# KiCad board sizif128.kicad_pcb (continued)
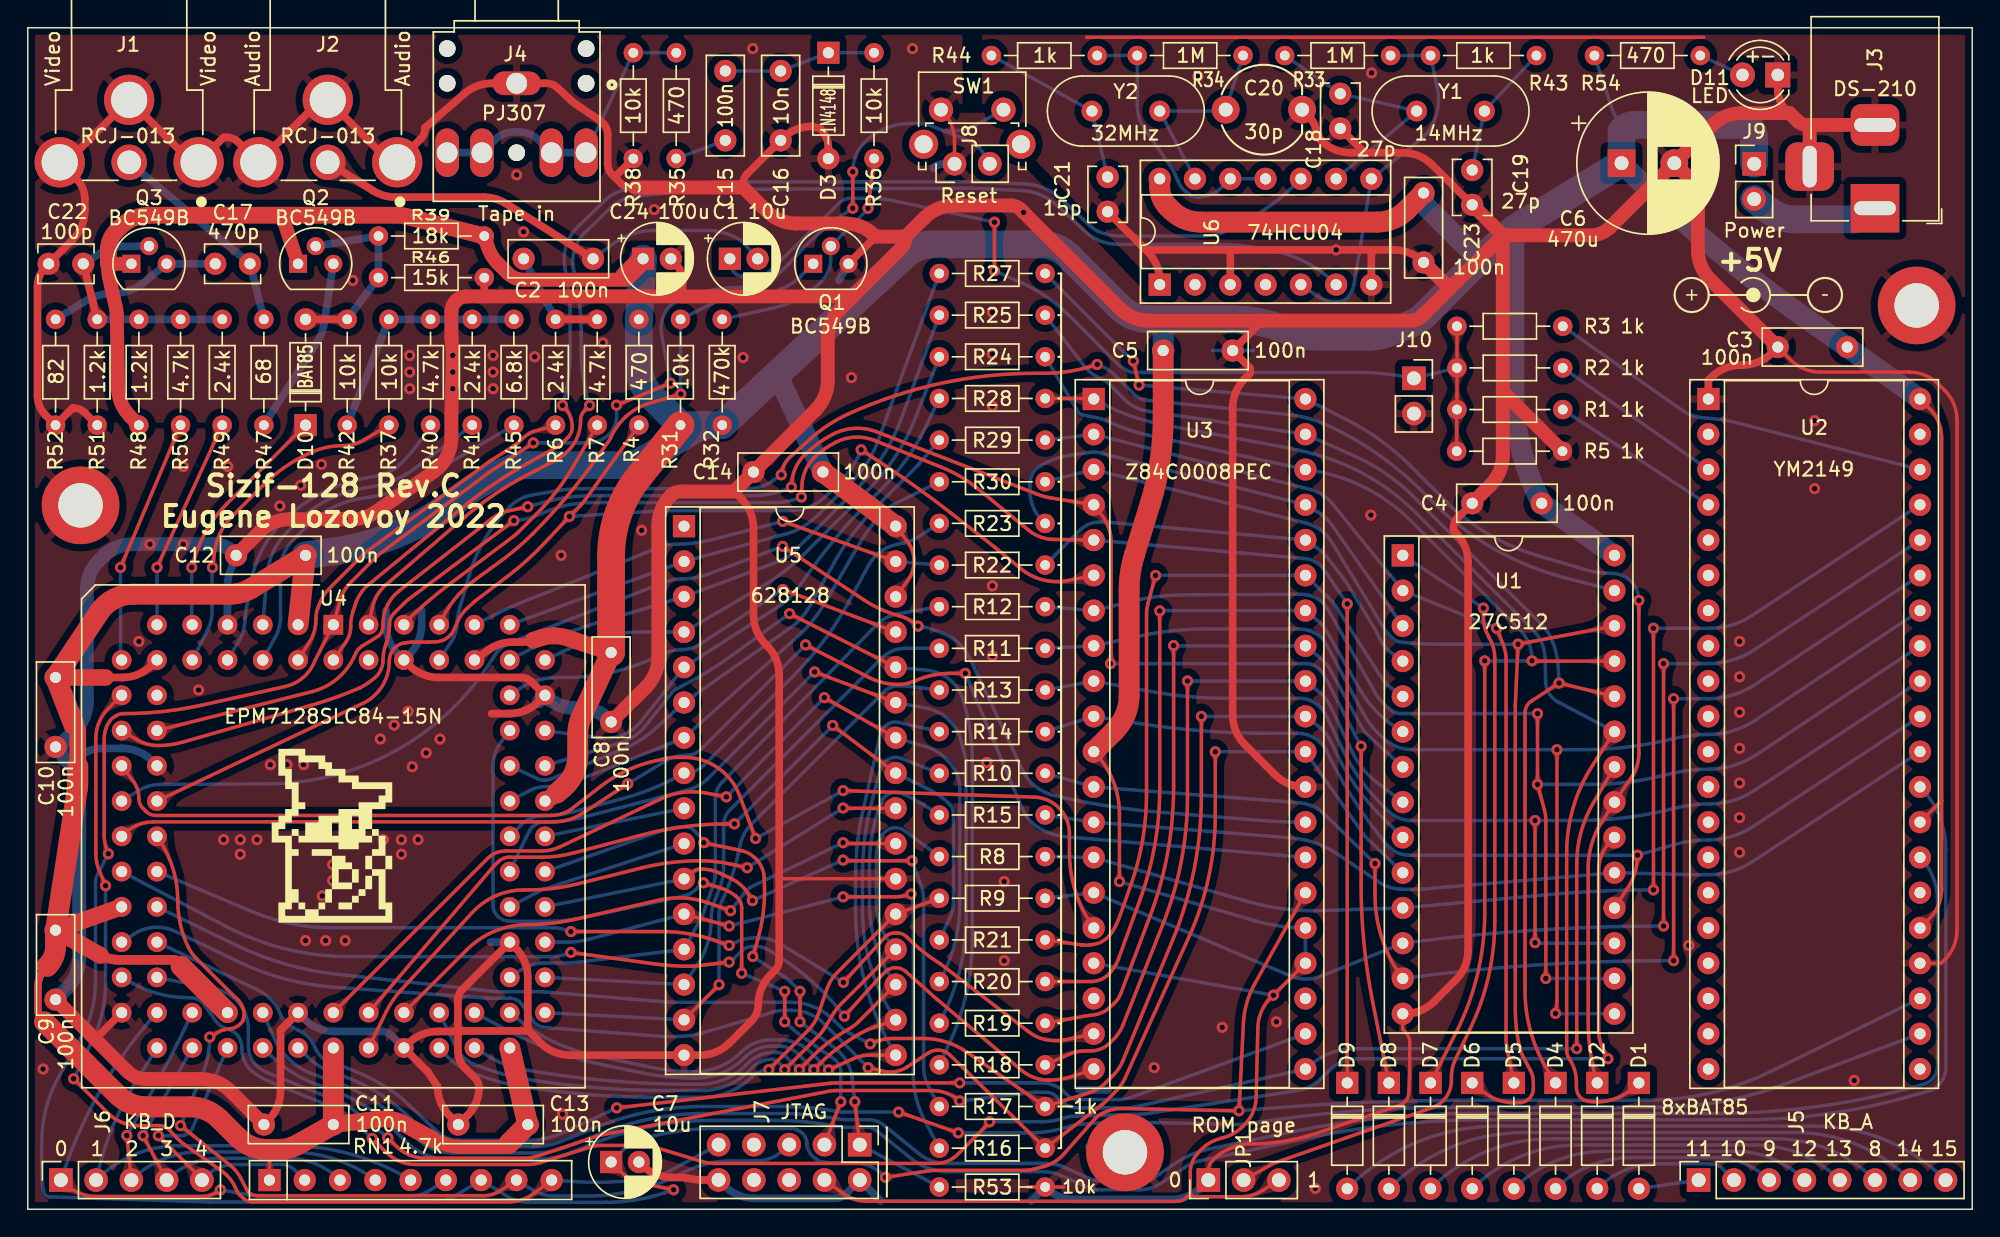
[diagram p0: board, top side]
## Copper pours and planes (outline as drawn; the poured copper is in the pictures) (continued)
A9 on Bottom: 94.23,54.97 93.96,55.09 93.74,55.21 93.56,55.32 93.41,55.43 93.28,55.54 93.15,55.67 93.03,55.81 92.91,55.96 92.77,56.14 92.6,56.34 91.62,55.98 92.02,55.02 92.28,55.03 92.5,55.04 92.7,55.05 92.88,55.06 93.06,55.05 93.23,55.03 93.42,54.99 93.62,54.94 93.85,54.85 94.12,54.74
A10 on Top: 116.12,42.66 116.13,42.8 116.13,42.93 116.14,43.03 116.15,43.13 116.17,43.21 116.19,43.3 116.22,43.38 116.26,43.47 116.31,43.56 116.36,43.68 116,44.05 115.64,43.68 115.69,43.56 115.74,43.47 115.78,43.38 115.81,43.3 115.83,43.21 115.85,43.13 115.86,43.03 115.87,42.93 115.87,42.8 115.88,42.66
A10 on Top: 115.87,32.64 115.82,32.18 115.74,31.8 115.62,31.48 115.47,31.21 115.29,30.98 115.07,30.78 114.82,30.59 114.53,30.41 114.2,30.22 113.84,30.01 114.01,28.99 115.04,29.27 115.09,29.69 115.18,30.04 115.29,30.34 115.43,30.61 115.57,30.87 115.72,31.13 115.85,31.41 115.97,31.75 116.06,32.14 116.12,32.62
A10 on Top: 112.37,11.43 112.4,11.13 112.42,10.87 112.43,10.66 112.43,10.46 112.41,10.29 112.39,10.11 112.35,9.93 112.26,9.51 112.21,9.25 113.11,8.71 113.6,9.63 113.43,9.82 113.28,9.98 113.15,10.13 113.03,10.27 112.93,10.42 112.85,10.57 112.77,10.74 112.71,10.94 112.66,11.18 112.61,11.46
A10 on Top: 112.74,26.35 112.87,26.74 113,27.07 113.14,27.34 113.29,27.57 113.45,27.77 113.63,27.94 113.83,28.11 114.07,28.27 114.35,28.45 114.66,28.64 114.45,29.66 113.45,29.41 113.39,29.04 113.33,28.72 113.26,28.44 113.18,28.2 113.09,27.96 112.99,27.73 112.88,27.47 112.76,27.17 112.64,26.83 112.5,26.42
A10 on Bottom: 115.54,44.9 115.61,44.8 115.66,44.7 115.7,44.61 115.72,44.52 115.73,44.44 115.73,44.36 115.72,44.28 115.69,44.19 115.66,44.09 115.62,43.99 116.02,43.65 116.33,44.08 116.25,44.19 116.19,44.29 116.14,44.38 116.1,44.46 116.01,44.62 115.96,44.71 115.9,44.81 115.83,44.92 115.74,45.05
A10 on Bottom: 81.21,59.39 81.06,59.4 80.94,59.42 80.84,59.43 80.75,59.45 80.66,59.48 80.58,59.51 80.5,59.55 80.42,59.59 80.32,59.64 80.22,59.71 79.81,59.38 80.16,58.99 80.27,59.03 80.37,59.07 80.46,59.1 80.55,59.12 80.63,59.14 80.72,59.15 80.81,59.16 80.92,59.16 81.04,59.15 81.19,59.14
A10 on Bottom: 74.82,66.01 74.64,66.19 74.5,66.36 74.38,66.5 74.29,66.64 74.22,66.78 74.16,66.92 74.1,67.06 74.05,67.23 73.98,67.42 73.91,67.63 73,67.65 73.02,66.74 73.23,66.67 73.42,66.6 73.59,66.55 73.73,66.49 73.87,66.43 74.01,66.36 74.15,66.27 74.29,66.15 74.46,66.01 74.64,65.83
A10 on Bottom: 89.6,58.43 89.89,58.4 90.13,58.37 90.34,58.32 90.52,58.27 90.69,58.2 90.84,58.12 91,58.03 91.17,57.93 91.36,57.81 91.58,57.67 92.39,58.33 91.7,59.11 91.46,59.01 91.25,58.92 91.07,58.85 90.9,58.79 90.73,58.74 90.56,58.7 90.37,58.67 90.16,58.66 89.91,58.67 89.62,58.68
A10 on Bottom: 94.18,57.4 93.92,57.54 93.71,57.66 93.54,57.78 93.39,57.9 93.26,58.03 93.15,58.16 93.03,58.3 92.91,58.46 92.78,58.64 92.62,58.85 91.63,58.54 91.98,57.56 92.24,57.56 92.47,57.56 92.67,57.56 92.85,57.56 93.02,57.54 93.19,57.52 93.38,57.47 93.58,57.4 93.81,57.3 94.07,57.18
A10 on Bottom: 78.63,61.84 78.74,61.73 78.83,61.64 78.9,61.55 78.96,61.48 79.01,61.4 79.05,61.33 79.09,61.25 79.14,61.16 79.23,60.94 79.75,60.97 79.7,61.49 79.58,61.52 79.48,61.55 79.39,61.58 79.31,61.62 79.23,61.66 79.16,61.7 79.08,61.76 79,61.83 78.91,61.92 78.81,62.02
A11 on Top: 114,7.75 114.31,7.83 115.32,8.1 115.5,8.15 115.7,8.2 115.93,8.26 116.19,8.32 116.31,9.36 115.27,9.43 115.17,9.21 115.09,9 115.01,8.82 114.92,8.65 114.83,8.51 114.72,8.38 114.58,8.26 114.41,8.16 114.2,8.07 113.94,7.99
A11 on Top: 74.35,58.27 74.64,58.27 74.89,58.25 75.1,58.23 75.28,58.19 75.45,58.13 75.61,58.07 75.77,57.99 75.94,57.89 76.14,57.78 76.37,57.66 77.15,58.34 76.44,59.1 76.2,58.99 75.99,58.89 75.8,58.81 75.64,58.73 75.47,58.67 75.3,58.62 75.11,58.58 74.9,58.55 74.65,58.53 74.35,58.52
A11 on Top: 75.34,58.52 75.08,58.53 74.87,58.54 74.68,58.57 74.52,58.6 74.37,58.64 74.23,58.7 74.09,58.76 73.93,58.84 73.76,58.93 73.56,59.03 72.9,58.4 73.56,57.77 73.76,57.87 73.93,57.96 74.09,58.04 74.23,58.1 74.37,58.16 74.52,58.2 74.68,58.23 74.87,58.26 75.08,58.27 75.34,58.27
A11 on Top: 113.04,32.33 113.21,32.57 113.36,32.77 113.5,32.93 113.63,33.06 113.77,33.17 113.91,33.27 114.06,33.37 114.23,33.47 114.43,33.58 114.65,33.72 114.46,34.74 113.45,34.5 113.42,34.24 113.39,34.02 113.37,33.82 113.35,33.64 113.31,33.47 113.27,33.3 113.2,33.12 113.11,32.93 112.99,32.71 112.83,32.46
A11 on Bottom: 78.96,57.44 78.69,57.55 78.47,57.65 78.29,57.76 78.14,57.87 78.01,57.99 77.9,58.12 77.79,58.27 77.67,58.43 77.55,58.61 77.4,58.83 76.4,58.55 76.71,57.56 76.98,57.55 77.41,57.54 77.59,57.53 77.77,57.51 77.94,57.49 78.13,57.45 78.34,57.39 78.58,57.31 78.86,57.2
A11 on Bottom: 112.07,35.4 112.32,35.26 112.53,35.13 112.71,35.01 112.85,34.89 112.98,34.76 113.09,34.63 113.2,34.48 113.31,34.32 113.44,34.14 113.6,33.93 114.59,34.21 114.27,35.2 114.01,35.21 113.78,35.21 113.58,35.21 113.4,35.22 113.23,35.24 113.05,35.27 112.87,35.32 112.67,35.39 112.44,35.49 112.18,35.62
A12 on Top: 106.41,11.42 106.46,11.13 106.5,10.89 106.51,10.67 106.5,10.49 106.49,10.31 106.45,10.14 106.41,9.96 106.36,9.77 106.29,9.55 106.23,9.3 107.08,8.71 107.64,9.58 107.48,9.79 107.34,9.97 107.22,10.12 107.11,10.27 107.01,10.41 106.93,10.57 106.85,10.74 106.78,10.94 106.72,11.18 106.66,11.47
A12 on Top: 106.31,40.8 106.26,40.93 106.22,41.04 106.19,41.15 106.16,41.24 106.15,41.32 106.14,41.41 106.14,41.5 106.14,41.59 106.14,41.7 106.15,41.82 105.67,42.04 105.48,41.55 105.57,41.47 105.65,41.4 105.72,41.33 105.78,41.26 105.83,41.2 105.88,41.12 105.93,41.04 105.98,40.95 106.03,40.83 106.08,40.7
A12 on Bottom: 79.1,55.35 78.81,55.43 78.58,55.51 78.38,55.59 78.21,55.67 78.06,55.76 77.92,55.87 77.78,55.98 77.63,56.11 77.46,56.26 77.27,56.43 76.36,55.92 76.91,55.04 77.16,55.09 77.38,55.14 77.58,55.18 77.76,55.22 77.93,55.24 78.11,55.25 78.3,55.24 78.51,55.22 78.75,55.18 79.04,55.11
A12 on Bottom: 74.39,55.41 74.68,55.44 74.93,55.45 75.14,55.45 75.33,55.43 75.5,55.4 75.67,55.35 75.85,55.3 76.03,55.23 76.24,55.15 76.49,55.06 77.15,55.87 76.32,56.49 76.1,56.35 75.91,56.22 75.75,56.11 75.59,56.02 75.44,55.93 75.28,55.86 75.1,55.8 74.9,55.75 74.65,55.7 74.36,55.66
A12 on Bottom: 97.4,46.34 97.58,46.11 97.72,45.91 97.83,45.72 97.92,45.55 97.98,45.39 98.03,45.22 98.08,45.05 98.12,44.85 98.16,44.63 98.22,44.38 99.25,44.25 99.34,45.28 99.1,45.39 98.9,45.48 98.72,45.57 98.55,45.64 98.4,45.73 98.25,45.83 98.11,45.95 97.95,46.09 97.78,46.27 97.59,46.5
A12 on Bottom: 104.6,42.18 104.73,42.12 104.84,42.07 104.94,42.03 105.02,41.98 105.1,41.93 105.16,41.88 105.23,41.82 105.3,41.75 105.37,41.67 105.45,41.58 105.94,41.78 105.72,42.25 105.6,42.24 105.49,42.24 105.4,42.23 105.31,42.24 105.22,42.24 105.14,42.26 105.04,42.28 104.94,42.32 104.83,42.36 104.69,42.41
A12 on Bottom: 101.26,43.79 100.99,43.9 100.77,44.01 100.59,44.11 100.43,44.22 100.29,44.33 100.17,44.45 100.04,44.58 99.91,44.73 99.77,44.9 99.59,45.1 98.63,44.71 99.06,43.76 99.32,43.78 99.54,43.8 99.74,43.82 99.92,43.83 100.09,43.83 100.27,43.82 100.46,43.79 100.66,43.73 100.9,43.66 101.17,43.55
A12 on Bottom: 75.31,55.77 75.06,55.75 74.84,55.74 74.65,55.74 74.49,55.75 74.34,55.78 74.19,55.81 74.04,55.86 73.88,55.92 73.69,55.99 73.48,56.06 72.9,55.36 73.63,54.81 73.82,54.93 73.98,55.04 74.13,55.14 74.26,55.22 74.4,55.29 74.54,55.35 74.69,55.41 74.87,55.45 75.09,55.49 75.34,55.52
A13 on Top: 111.92,41.45 112.2,41.5 112.45,41.53 112.66,41.54 112.85,41.54 113.03,41.51 113.2,41.48 113.37,41.44 113.56,41.38 113.78,41.32 114.03,41.25 114.63,42.09 113.76,42.66 113.56,42.5 113.38,42.37 113.22,42.24 113.07,42.14 112.93,42.04 112.77,41.96 112.6,41.89 112.39,41.82 112.16,41.76 111.87,41.7
A13 on Top: 107.37,39.51 107.38,39.65 107.39,39.77 107.4,39.88 107.42,39.97 107.44,40.06 107.47,40.14 107.5,40.22 107.54,40.3 107.59,40.4 107.65,40.51 107.31,40.9 106.93,40.54 106.98,40.43 107.02,40.33 107.06,40.24 107.08,40.15 107.1,40.07 107.12,39.98 107.12,39.89 107.13,39.78 107.13,39.66 107.12,39.52
A13 on Top: 106.26,7.88 105.97,7.97 105.73,8.06 105.53,8.17 105.38,8.29 105.25,8.43 105.13,8.59 105.04,8.77 104.94,8.97 104.84,9.2 104.72,9.44 103.69,9.35 103.82,8.32 104.11,8.25 104.36,8.18 104.58,8.12 104.77,8.06 105.15,7.93 105.36,7.87 105.59,7.8 105.87,7.72 106.2,7.64
A13 on Bottom: 74.46,52.58 74.75,52.64 74.99,52.69 75.2,52.71 75.39,52.71 75.57,52.7 75.74,52.68 75.92,52.65 76.11,52.6 76.33,52.55 76.59,52.5 77.14,53.38 76.24,53.89 76.04,53.72 75.87,53.58 75.72,53.44 75.58,53.33 75.44,53.23 75.29,53.14 75.12,53.05 74.92,52.97 74.68,52.9 74.4,52.82
A13 on Bottom: 106.11,40.57 106.25,40.57 106.38,40.57 106.48,40.56 106.58,40.55 106.66,40.53 106.75,40.51 106.83,40.48 106.92,40.44 107.01,40.39 107.13,40.34 107.5,40.7 107.13,41.06 107.01,41.01 106.92,40.96 106.83,40.92 106.75,40.89 106.66,40.87 106.58,40.85 106.48,40.84 106.38,40.83 106.25,40.83 106.11,40.82
A13 on Bottom: 79.1,52.82 78.82,52.89 78.58,52.97 78.38,53.05 78.21,53.13 78.06,53.23 77.92,53.33 77.78,53.44 77.63,53.57 77.46,53.72 77.26,53.89 76.36,53.38 76.91,52.5 77.17,52.55 77.39,52.6 77.58,52.65 77.76,52.68 77.93,52.7 78.11,52.71 78.3,52.71 78.51,52.68 78.75,52.64 79.04,52.57
A13 on Bottom: 75.25,53.03 75,52.97 74.78,52.93 74.6,52.91 74.43,52.9 74.28,52.91 74.13,52.93 73.97,52.96 73.81,52.99 73.61,53.04 73.39,53.09 72.91,52.31 73.7,51.86 73.87,52.01 74.02,52.14 74.15,52.25 74.28,52.35 74.4,52.44 74.53,52.52 74.68,52.59 74.85,52.66 75.06,52.72 75.31,52.79
A14 on Top: 11.34,35.12 11.08,35.06 10.87,35.02 10.68,35 10.51,34.99 10.35,35 10.2,35.02 10.04,35.05 9.87,35.08 9.67,35.13 9.44,35.18 8.96,34.39 9.76,33.93 9.93,34.08 10.08,34.22 10.22,34.33 10.35,34.43 10.47,34.52 10.61,34.6 10.76,34.67 10.94,34.74 11.15,34.81 11.4,34.88
A14 on Top: 78.1,48.45 78.06,48.79 78,49.07 77.94,49.3 77.88,49.51 77.82,49.7 77.75,49.88 77.69,50.08 77.64,50.29 77.59,50.54 77.54,50.83 76.51,51.06 76.39,50.03 76.63,49.91 76.86,49.8 77.06,49.69 77.24,49.59 77.39,49.47 77.53,49.33 77.64,49.16 77.74,48.96 77.81,48.72 77.86,48.43
A14 on Top: 97.41,11.42 97.46,11.13 97.49,10.89 97.51,10.67 97.5,10.48 97.48,10.31 97.45,10.14 97.41,9.96 97.35,9.77 97.29,9.55 97.23,9.3 98.08,8.71 98.64,9.58 98.48,9.79 98.34,9.97 98.21,10.12 98.11,10.27 98.01,10.41 97.93,10.57 97.85,10.74 97.78,10.94 97.72,11.18 97.65,11.47
A14 on Top: 96.12,32.16 96.13,32.3 96.13,32.43 96.14,32.53 96.15,32.63 96.17,32.71 96.19,32.8 96.22,32.88 96.26,32.97 96.31,33.06 96.36,33.18 96,33.55 95.64,33.18 95.69,33.06 95.74,32.97 95.78,32.88 95.81,32.8 95.83,32.71 95.85,32.63 95.86,32.53 95.87,32.43 95.87,32.3 95.88,32.16
A14 on Top: 74.37,50.99 74.66,50.94 74.9,50.89 75.1,50.82 75.28,50.76 75.44,50.68 75.59,50.59 75.74,50.49 75.9,50.37 76.08,50.24 76.29,50.08 77.14,50.68 76.52,51.51 76.27,51.43 76.06,51.36 75.87,51.3 75.69,51.25 75.52,51.21 75.35,51.18 75.16,51.17 74.95,51.18 74.7,51.2 74.41,51.24
A14 on Top: 55.11,53.33 55.05,53.17 55,53.04 54.93,52.82 54.89,52.73 54.86,52.64 54.82,52.55 54.77,52.45 54.71,52.34 54.64,52.22 54.95,51.81 55.35,52.14 55.31,52.26 55.27,52.37 55.24,52.48 55.22,52.57 55.21,52.66 55.21,52.76 55.23,52.86 55.25,52.97 55.29,53.09 55.34,53.24
A14 on Bottom: 37.8,51.21 37.57,51.16 37.36,51.11 37.19,51.06 37.04,51.02 36.89,50.98 36.75,50.96 36.61,50.95 36.45,50.95 36.27,50.96 36.07,50.99 35.81,50.55 36.27,50.3 36.42,50.43 36.56,50.54 36.69,50.63 36.82,50.69 36.95,50.75 37.09,50.79 37.24,50.84 37.42,50.87 37.85,50.97
A14 on Bottom: 79.14,39.42 79,39.43 78.87,39.43 78.77,39.44 78.67,39.45 78.59,39.47 78.51,39.49 78.42,39.52 78.33,39.56 78.24,39.61 78.12,39.66 77.75,39.3 78.12,38.94 78.24,38.99 78.33,39.04 78.42,39.08 78.51,39.11 78.59,39.13 78.67,39.15 78.77,39.16 78.87,39.17 79,39.17 79.14,39.17
A14 on Bottom: 95.34,34.35 95.4,34.22 95.46,34.11 95.5,34.01 95.53,33.92 95.55,33.84 95.57,33.75 95.58,33.67 95.59,33.57 95.6,33.46 95.6,33.34 96.09,33.17 96.24,33.67 96.14,33.75 96.05,33.81 95.98,33.87 95.91,33.93 95.86,33.99 95.8,34.06 95.75,34.14 95.69,34.23 95.63,34.34 95.56,34.46
A14 on Bottom: 53.87,51.49 54.01,51.53 54.14,51.56 54.24,51.58 54.34,51.6 54.43,51.61 54.52,51.62 54.61,51.62 54.71,51.62 54.82,51.62 54.95,51.61 55.16,52.08 54.68,52.28 54.6,52.19 54.52,52.11 54.45,52.04 54.39,51.98 54.32,51.93 54.24,51.89 54.16,51.84 54.06,51.81 53.94,51.77 53.8,51.73
A15 on Top: 94.88,11.49 94.87,11.2 94.85,10.95 94.82,10.74 94.78,10.56 94.73,10.39 94.67,10.23 94.59,10.06 94.5,9.88 94.4,9.68 94.28,9.45 95,8.7 95.72,9.45 95.6,9.68 95.5,9.88 95.41,10.06 95.33,10.23 95.27,10.39 95.22,10.56 95.18,10.74 95.15,10.95 95.13,11.2 95.12,11.49
A15 on Top: 55.76,52.97 55.7,52.77 55.66,52.59 55.63,52.44 55.6,52.3 55.58,52.17 55.56,52.05 55.53,51.93 55.49,51.8 55.43,51.65 55.35,51.49 55.69,51.1 56.07,51.46 56,51.62 55.95,51.76 55.9,51.89 55.88,52.01 55.86,52.13 55.86,52.25 55.87,52.39 55.9,52.54 55.94,52.7 56,52.89
A15 on Top: 74.36,48.11 74.65,48.1 74.9,48.08 75.11,48.05 75.29,48.01 75.46,47.95 75.62,47.88 75.78,47.8 75.96,47.71 76.16,47.6 76.39,47.49 77.15,48.19 76.41,48.93 76.18,48.81 75.97,48.71 75.8,48.63 75.63,48.55 75.47,48.49 75.3,48.44 75.11,48.4 74.9,48.38 74.65,48.36 74.36,48.36
A15 on Top: 95.12,42.41 95.13,42.55 95.13,42.68 95.14,42.78 95.15,42.88 95.17,42.96 95.19,43.05 95.22,43.13 95.26,43.22 95.31,43.31 95.36,43.43 95,43.8 94.64,43.43 94.69,43.31 94.74,43.22 94.78,43.13 94.81,43.05 94.83,42.96 94.85,42.88 94.86,42.78 94.87,42.68 94.87,42.55 94.88,42.41
A15 on Top: 34.12,48.79 34.24,48.87 34.34,48.94 34.43,49 34.51,49.05 34.59,49.08 34.67,49.11 34.76,49.14 34.85,49.16 34.95,49.18 35.08,49.21 35.16,49.72 34.64,49.78 34.59,49.67 34.54,49.58 34.49,49.5 34.44,49.42 34.39,49.35 34.33,49.29 34.26,49.22 34.18,49.15 34.09,49.08 33.97,48.99
A15 on Top: 9.19,33.53 8.88,33.57 8.61,33.62 8.4,33.7 8.21,33.8 8.05,33.92 7.91,34.06 7.78,34.23 7.65,34.42 7.51,34.63 7.36,34.87 6.46,34.66 6.71,33.77 7.01,33.74 7.27,33.7 7.49,33.65 7.69,33.59 7.88,33.53 8.08,33.47 8.3,33.41 8.54,33.36 8.83,33.31 9.17,33.28
A15 on Bottom: 79.14,48.12 78.85,48.15 78.61,48.19 78.4,48.23 78.22,48.29 78.06,48.36 77.9,48.43 77.74,48.53 77.57,48.63 77.38,48.75 77.16,48.89 76.35,48.23 77.03,47.45 77.28,47.55 77.49,47.63 77.67,47.71 77.84,47.77 78.01,47.82 78.18,47.86 78.37,47.88 78.58,47.89 78.83,47.89 79.12,47.87
A15 on Bottom: 36.15,49.92 36.01,49.89 35.89,49.86 35.79,49.84 35.7,49.84 35.61,49.84 35.53,49.85 35.44,49.87 35.35,49.9 35.25,49.93 35.14,49.98 34.8,49.58 35.21,49.26 35.32,49.33 35.42,49.38 35.5,49.43 35.58,49.47 35.66,49.5 35.75,49.54 35.84,49.57 35.95,49.6 36.07,49.64 36.21,49.68
A15 on Bottom: 94.23,44.52 94.31,44.4 94.37,44.29 94.43,44.2 94.47,44.11 94.5,44.03 94.53,43.95 94.55,43.87 94.57,43.77 94.59,43.67 94.6,43.54 95.11,43.43 95.2,43.95 95.09,44.01 95,44.06 94.92,44.12 94.85,44.17 94.78,44.22 94.72,44.28 94.66,44.35 94.59,44.44 94.52,44.54 94.44,44.66
AY_BC1 on Bottom: 18.63,10.28 18.42,10.44 18.25,10.58 18.12,10.72 18.01,10.85 17.93,10.99 17.86,11.13 17.79,11.28 17.73,11.45 17.67,11.64 17.59,11.86 16.66,11.87 16.7,10.94 17.12,10.8 17.3,10.75 17.45,10.69 17.6,10.62 17.75,10.55 17.9,10.47 18.07,10.36 18.26,10.23 18.49,10.08
AY_BC1 on Bottom: 137.69,28.5 137.57,28.78 137.48,29.02 137.4,29.23 137.34,29.42 137.29,29.59 137.24,29.77 137.19,29.95 137.14,30.14 137.08,30.37 137.01,30.63 135.98,30.72 135.93,29.68 136.16,29.59 136.36,29.51 136.55,29.43 136.71,29.35 136.85,29.26 136.99,29.15 137.11,29.02 137.23,28.85 137.35,28.65 137.47,28.4
AY_BDIR on Bottom: 137.51,23.3 137.44,23.6 137.38,23.86 137.33,24.08 137.29,24.28 137.18,24.82 137.13,25.02 137.08,25.25 137.02,25.52 135.98,25.65 135.91,24.61 136.13,24.51 136.33,24.42 136.5,24.34 136.66,24.25 136.8,24.15 136.92,24.03 137.02,23.88 137.12,23.71 137.2,23.5 137.27,23.24
AY_BDIR on Bottom: 17.91,12.26 17.8,12.5 17.73,12.71 17.67,12.89 17.63,13.06 17.61,13.21 17.61,13.37 17.61,13.53 17.61,13.71 17.62,13.91 17.63,14.14 16.77,14.48 16.46,13.62 16.64,13.47 16.8,13.34 16.93,13.23 17.05,13.12 17.16,13.01 17.27,12.89 17.36,12.76 17.46,12.59 17.57,12.4 17.68,12.16
AY_CLK on Top: 63.86,6.73 63.73,6.77 63.61,6.82 63.52,6.86 63.43,6.91 63.36,6.95 63.29,7 63.22,7.06 63.15,7.12 63.07,7.19 62.98,7.28 62.51,7.07 62.75,6.6 62.87,6.62 62.98,6.63 63.07,6.63 63.16,6.63 63.25,6.63 63.33,6.62 63.43,6.6 63.53,6.57 63.65,6.54 63.78,6.49
AY_CLK on Top: 65.84,5.77 65.97,5.73 66.09,5.68 66.18,5.64 66.27,5.59 66.34,5.55 66.41,5.5 66.48,5.44 66.55,5.38 66.63,5.31 66.72,5.22 67.19,5.43 66.95,5.9 66.83,5.88 66.72,5.87 66.63,5.87 66.54,5.87 66.45,5.87 66.37,5.88 66.27,5.9 66.17,5.93 66.05,5.96 65.92,6.01
AY_CLK on Bottom: 134.04,11.69 134.32,11.79 134.56,11.86 134.76,11.9 134.95,11.93 135.13,11.94 135.3,11.93 135.48,11.92 135.68,11.9 135.91,11.87 136.16,11.84 136.61,12.78 135.66,13.19 135.48,13 135.33,12.84 135.2,12.69 135.07,12.56 134.94,12.44 134.8,12.34 134.64,12.23 134.45,12.13 134.23,12.03 133.96,11.92
AY_CLK on Bottom: 21.62,10.11 21.33,10.25 21.09,10.39 20.9,10.53 20.74,10.67 20.62,10.82 20.51,10.99 20.41,11.17 20.32,11.38 20.23,11.62 20.12,11.88 19.2,11.86 19.26,10.94 19.55,10.85 19.79,10.76 19.99,10.67 20.18,10.58 20.36,10.49 20.73,10.28 20.95,10.16 21.21,10.03 21.52,9.88
AY_CLK on Bottom: 68.19,5.62 68.05,5.63 67.92,5.63 67.82,5.64 67.72,5.65 67.64,5.67 67.55,5.69 67.47,5.72 67.38,5.76 67.29,5.81 67.17,5.86 66.8,5.5 67.17,5.14 67.29,5.19 67.38,5.24 67.47,5.28 67.55,5.31 67.64,5.33 67.72,5.35 67.82,5.36 67.92,5.37 68.05,5.37 68.19,5.38
AY_CLK on Bottom: 61.51,6.88 61.65,6.87 61.78,6.87 61.88,6.86 61.98,6.85 62.06,6.83 62.15,6.81 62.23,6.78 62.32,6.74 62.41,6.69 62.53,6.64 62.9,7 62.53,7.36 62.41,7.31 62.32,7.26 62.23,7.22 62.15,7.19 62.06,7.17 61.98,7.15 61.88,7.14 61.78,7.13 61.65,7.13 61.51,7.12
BEEPER on Top: 20.61,42.21 20.57,41.86 20.5,41.57 20.41,41.32 20.3,41.11 20.16,40.93 20,40.77 19.81,40.63 19.6,40.48 19.36,40.33 19.08,40.16 19.27,39.26 20.17,39.5 20.21,39.83 20.27,40.11 20.34,40.35 20.42,40.57 20.51,40.78 20.6,40.99 20.68,41.23 20.75,41.49 20.82,41.81 20.86,42.19
BEEPER on Top: 35.24,54.87 35.46,55.19 35.69,55.44 35.91,55.63 36.15,55.76 36.39,55.85 36.65,55.89 36.92,55.9 37.21,55.89 37.53,55.85 37.88,55.79 38.34,56.58 37.41,56.86 37.19,56.57 36.97,56.36 36.73,56.21 36.5,56.09 36.26,55.99 36.01,55.89 35.77,55.75 35.52,55.58 35.27,55.33 35.03,55
Blue on Top: 13.51,48.2 13.44,47.96 13.39,47.75 13.35,47.56 13.3,47.24 13.26,47.1 13.22,46.95 13.16,46.8 13.08,46.63 12.97,46.45 13.27,46.03 13.68,46.35 13.62,46.55 13.57,46.73 13.54,46.89 13.52,47.04 13.52,47.19 13.54,47.34 13.57,47.51 13.61,47.68 13.68,47.89 13.75,48.12
Blue on Top: 22.89,54.88 23.34,54.93 23.71,55.01 24.02,55.11 24.29,55.22 24.54,55.34 24.79,55.45 25.04,55.57 25.32,55.66 25.65,55.74 26.05,55.78 26.3,56.66 25.42,56.87 25.21,56.55 25.01,56.26 24.83,56.01 24.64,55.8 24.44,55.62 24.22,55.46 23.96,55.34 23.66,55.24 23.3,55.18 22.87,55.13
Blue on Bottom: 12.71,41.51 12.58,41.28 12.47,41.09 12.36,40.94 12.25,40.81 12.15,40.69 12.03,40.59 11.9,40.49 11.76,40.38 11.6,40.27 11.41,40.13 11.68,39.24 12.55,39.54 12.55,39.77 12.56,39.97 12.56,40.15 12.57,40.31 12.58,40.47 12.61,40.62 12.66,40.78 12.72,40.96 12.81,41.16 12.93,41.4
Blue on Bottom: 13.39,45.02 13.39,45.17 13.4,45.29 13.41,45.39 13.42,45.49 13.44,45.57 13.46,45.66 13.49,45.74 13.53,45.82 13.58,45.92 13.65,46.02 13.32,46.42 12.93,46.08 13.01,45.86 13.05,45.76 13.08,45.68 13.1,45.59 13.12,45.5 13.13,45.41 13.14,45.3 13.14,45.17 13.14,45.02
Bright on Bottom: 33.26,55.32 33.48,55.44 33.68,55.54 33.85,55.61 34,55.66 34.15,55.7 34.3,55.73 34.46,55.74 34.63,55.75 34.83,55.77 35.06,55.78 35.3,56.66 34.42,56.87 34.29,56.68 34.19,56.52 34.09,56.37 34,56.24 33.91,56.12 33.8,56.01 33.68,55.9 33.53,55.79 33.35,55.66 33.13,55.53
Bright on Bottom: 18.07,42.59 18.05,42.19 18,41.85 17.92,41.56 17.81,41.31 17.67,41.1 17.5,40.9 17.3,40.72 17.07,40.54 16.8,40.35 16.51,40.14 16.75,39.25 17.63,39.54 17.66,39.92 17.71,40.23 17.79,40.51 17.88,40.76 17.98,40.99 18.07,41.23 18.16,41.5 18.24,41.8 18.3,42.16 18.32,42.58
CHROMA0 on Top: 7.03,47.37 6.97,47.24 6.92,47.13 6.87,47.03 6.82,46.95 6.77,46.88 6.72,46.81 6.66,46.75 6.59,46.68 6.51,46.61 6.42,46.53 6.6,46.04 7.08,46.25 7.07,46.37 7.07,46.48 7.07,46.57 7.07,46.66 7.08,46.75 7.1,46.83 7.13,46.92 7.16,47.02 7.2,47.14 7.26,47.27
CHROMA0 on Top: 10.3,54.51 10.41,54.74 10.5,54.93 10.6,55.09 10.69,55.23 10.79,55.35 10.89,55.46 11.01,55.57 11.14,55.68 11.29,55.81 11.46,55.95 11.14,56.8 10.3,56.44 10.31,56.22 10.33,56.02 10.34,55.85 10.34,55.69 10.34,55.54 10.32,55.39 10.29,55.22 10.24,55.04 10.17,54.84 10.07,54.6
CHROMA0 on Bottom: 6.56,41.69 6.55,41.42 6.54,41.2 6.51,41 6.47,40.84 6.43,40.68 6.38,40.53 6.32,40.38 6.25,40.21 6.17,40.02 6.09,39.8 6.8,39.21 7.36,39.94 7.24,40.13 7.14,40.3 7.05,40.45 6.98,40.59 6.92,40.73 6.88,40.87 6.84,41.04 6.82,41.22 6.81,41.44 6.81,41.69
CHROMA0 on Bottom: 6.81,45.03 6.81,45.18 6.81,45.3 6.82,45.41 6.83,45.5 6.85,45.59 6.87,45.67 6.9,45.75 6.94,45.84 6.99,45.94 7.04,46.05 6.68,46.42 6.32,46.05 6.37,45.94 6.42,45.84 6.46,45.75 6.49,45.67 6.51,45.59 6.53,45.5 6.54,45.41 6.55,45.3 6.55,45.18 6.56,45.03
CHROMA1 on Top: 9.68,47.36 9.62,47.23 9.57,47.12 9.51,47.03 9.46,46.95 9.41,46.87 9.36,46.81 9.29,46.75 9.22,46.68 9.14,46.61 9.05,46.53 9.22,46.04 9.7,46.23 9.7,46.36 9.7,46.47 9.7,46.56 9.71,46.65 9.72,46.73 9.74,46.82 9.77,46.91 9.8,47.01 9.85,47.12 9.91,47.25
CHROMA1 on Top: 13.24,54.53 13.35,54.76 13.46,54.95 13.55,55.11 13.65,55.24 13.75,55.36 13.86,55.46 13.98,55.57 14.12,55.68 14.27,55.8 14.45,55.94 14.15,56.8 13.3,56.47 13.31,56.24 13.31,56.04 13.32,55.87 13.32,55.71 13.31,55.56 13.29,55.41 13.25,55.25 13.2,55.07 13.12,54.87 13.02,54.63
CHROMA1 on Bottom: 9.17,44.23 9.17,43.97 9.16,43.75 9.13,43.56 9.1,43.4 9.05,43.25 9,43.1 8.93,42.95 8.85,42.8 8.76,42.62 8.66,42.41 9.3,41.74 9.94,42.41 9.84,42.62 9.75,42.8 9.67,42.95 9.6,43.1 9.55,43.25 9.5,43.4 9.47,43.56 9.44,43.75 9.43,43.97 9.42,44.23
CHROMA1 on Bottom: 9.42,45.03 9.43,45.18 9.43,45.3 9.44,45.41 9.45,45.5 9.47,45.59 9.49,45.67 9.52,45.75 9.56,45.84 9.61,45.94 9.66,46.05 9.3,46.42 8.94,46.05 8.99,45.94 9.04,45.84 9.08,45.75 9.11,45.67 9.13,45.59 9.15,45.5 9.16,45.41 9.17,45.3 9.17,45.18 9.17,45.03
CLK14 on Top: 39.93,56.82 39.93,56.96 39.95,57.07 39.99,57.16 40.04,57.24 40.11,57.3 40.18,57.36 40.27,57.4 40.36,57.44 40.47,57.48 40.58,57.52 40.59,58.04 40.05,57.89 40.04,57.76 40.01,57.65 39.97,57.56 39.92,57.47 39.86,57.39 39.81,57.3 39.75,57.21 39.71,57.1 39.68,56.97 39.68,56.82
CLK14 on Top: 25.33,44.69 25.12,44.42 24.95,44.18 24.82,43.96 24.71,43.76 24.62,43.58 24.54,43.39 24.44,43.21 24.32,43.01 24.18,42.79 23.99,42.55 24.46,41.75 25.23,42.27 25.16,42.54 25.1,42.79 25.05,43.02 25.02,43.23 25.02,43.43 25.04,43.63 25.1,43.84 25.19,44.05 25.33,44.28 25.52,44.53
CLK14 on Bottom: 40.01,59.03 40.04,58.89 40.07,58.76 40.09,58.65 40.1,58.56 40.1,58.47 40.1,58.38 40.1,58.29 40.09,58.2 40.07,58.09 40.05,57.96 40.51,57.71 40.74,58.17 40.66,58.26 40.59,58.34 40.53,58.42 40.47,58.49 40.43,58.56 40.39,58.64 40.35,58.73 40.32,58.83 40.29,58.95 40.26,59.08
CLK14 on Bottom: 92.24,67.95 92.48,67.8 92.68,67.67 92.83,67.53 92.96,67.39 93.06,67.25 93.14,67.1 93.22,66.94 93.29,66.75 93.37,66.54 93.46,66.31 94.49,66.33 94.43,67.37 94.17,67.44 93.75,67.56 93.58,67.61 93.41,67.67 93.24,67.73 93.06,67.81 92.86,67.9 92.63,68.02 92.36,68.17
CLK32 on Top: 23.12,42.17 23.13,41.83 23.1,41.54 23.03,41.3 22.93,41.09 22.79,40.91 22.61,40.76 22.41,40.61 22.18,40.47 21.93,40.33 21.65,40.18 21.8,39.27 22.71,39.63 22.7,39.95 22.74,40.22 22.82,40.45 22.93,40.65 23.04,40.85 23.16,41.06 23.26,41.28 23.34,41.53 23.38,41.83 23.36,42.19
CLK32 on Top: 39.25,56.93 39.21,57.08 39.17,57.21 39.13,57.31 39.09,57.41 39.03,57.58 38.99,57.67 38.96,57.77 38.92,57.88 38.89,58 38.37,58.05 38.35,57.53 38.45,57.49 38.55,57.45 38.63,57.4 38.7,57.36 38.77,57.31 38.83,57.25 38.88,57.18 38.93,57.09 38.97,56.99 39.01,56.86
CLK32 on Bottom: 89.96,72.51 90.2,72.69 90.4,72.84 90.59,72.95 90.75,73.05 90.92,73.12 91.08,73.19 91.25,73.25 91.44,73.31 91.66,73.38 91.91,73.46 91.95,74.5 90.91,74.49 90.82,74.25 90.75,74.03 90.69,73.84 90.62,73.67 90.55,73.52 90.46,73.36 90.35,73.21 90.21,73.06 90.03,72.89 89.8,72.71
CLKCPU on Top: 42.88,54.71 43.04,54.91 43.17,55.08 43.3,55.22 43.42,55.33 43.54,55.42 43.67,55.51 43.81,55.59 43.96,55.67 44.13,55.76 44.33,55.86 44.2,56.76 43.31,56.6 43.27,56.38 43.24,56.18 43.21,56.01 43.18,55.86 43.15,55.71 43.1,55.56 43.03,55.41 42.94,55.25 42.82,55.07 42.68,54.86
CLKCPU on Top: 38.28,48.95 38.38,49.05 38.46,49.14 38.54,49.21 38.62,49.27 38.69,49.32 38.76,49.36 38.84,49.4 38.93,49.44 39.03,49.48 39.14,49.53 39.14,50.05 38.62,50.02 38.58,49.9 38.55,49.8 38.51,49.71 38.48,49.63 38.44,49.55 38.39,49.48 38.34,49.4 38.27,49.32 38.19,49.22 38.09,49.12
CLKCPU on Top: 11.17,30.43 10.94,30.32 10.73,30.24 10.55,30.18 10.39,30.14 10.23,30.11 10.08,30.1 9.91,30.1 9.74,30.1 9.54,30.11 9.31,30.11 8.98,29.25 9.85,28.95 10,29.14 10.12,29.29 10.23,29.43 10.33,29.56 10.44,29.67 10.56,29.77 10.69,29.88 10.85,29.98 11.05,30.09 11.28,30.2
CLKCPU on Top: 40.18,51.4 40.06,51.19 39.94,51.02 39.84,50.87 39.73,50.75 39.62,50.65 39.51,50.56 39.38,50.48 39.23,50.42 39.06,50.35 38.87,50.28 38.86,49.76 39.38,49.77 39.46,49.97 39.54,50.13 39.62,50.27 39.72,50.39 39.81,50.5 39.92,50.61 40.02,50.74 40.14,50.89 40.26,51.06 40.39,51.27